# Altium PCB WX0.000.863拼板.PcbDoc (part 12 of 15)
Units mm, origin at the board's own origin, x right, y up, seen from the top; angles counter-clockwise.
Board outline 150.37 x 286.89 mm, 2 copper layers (Top Layer, Bottom Layer); 840 components, 0 nets, 2516 pads, 1604 vias.
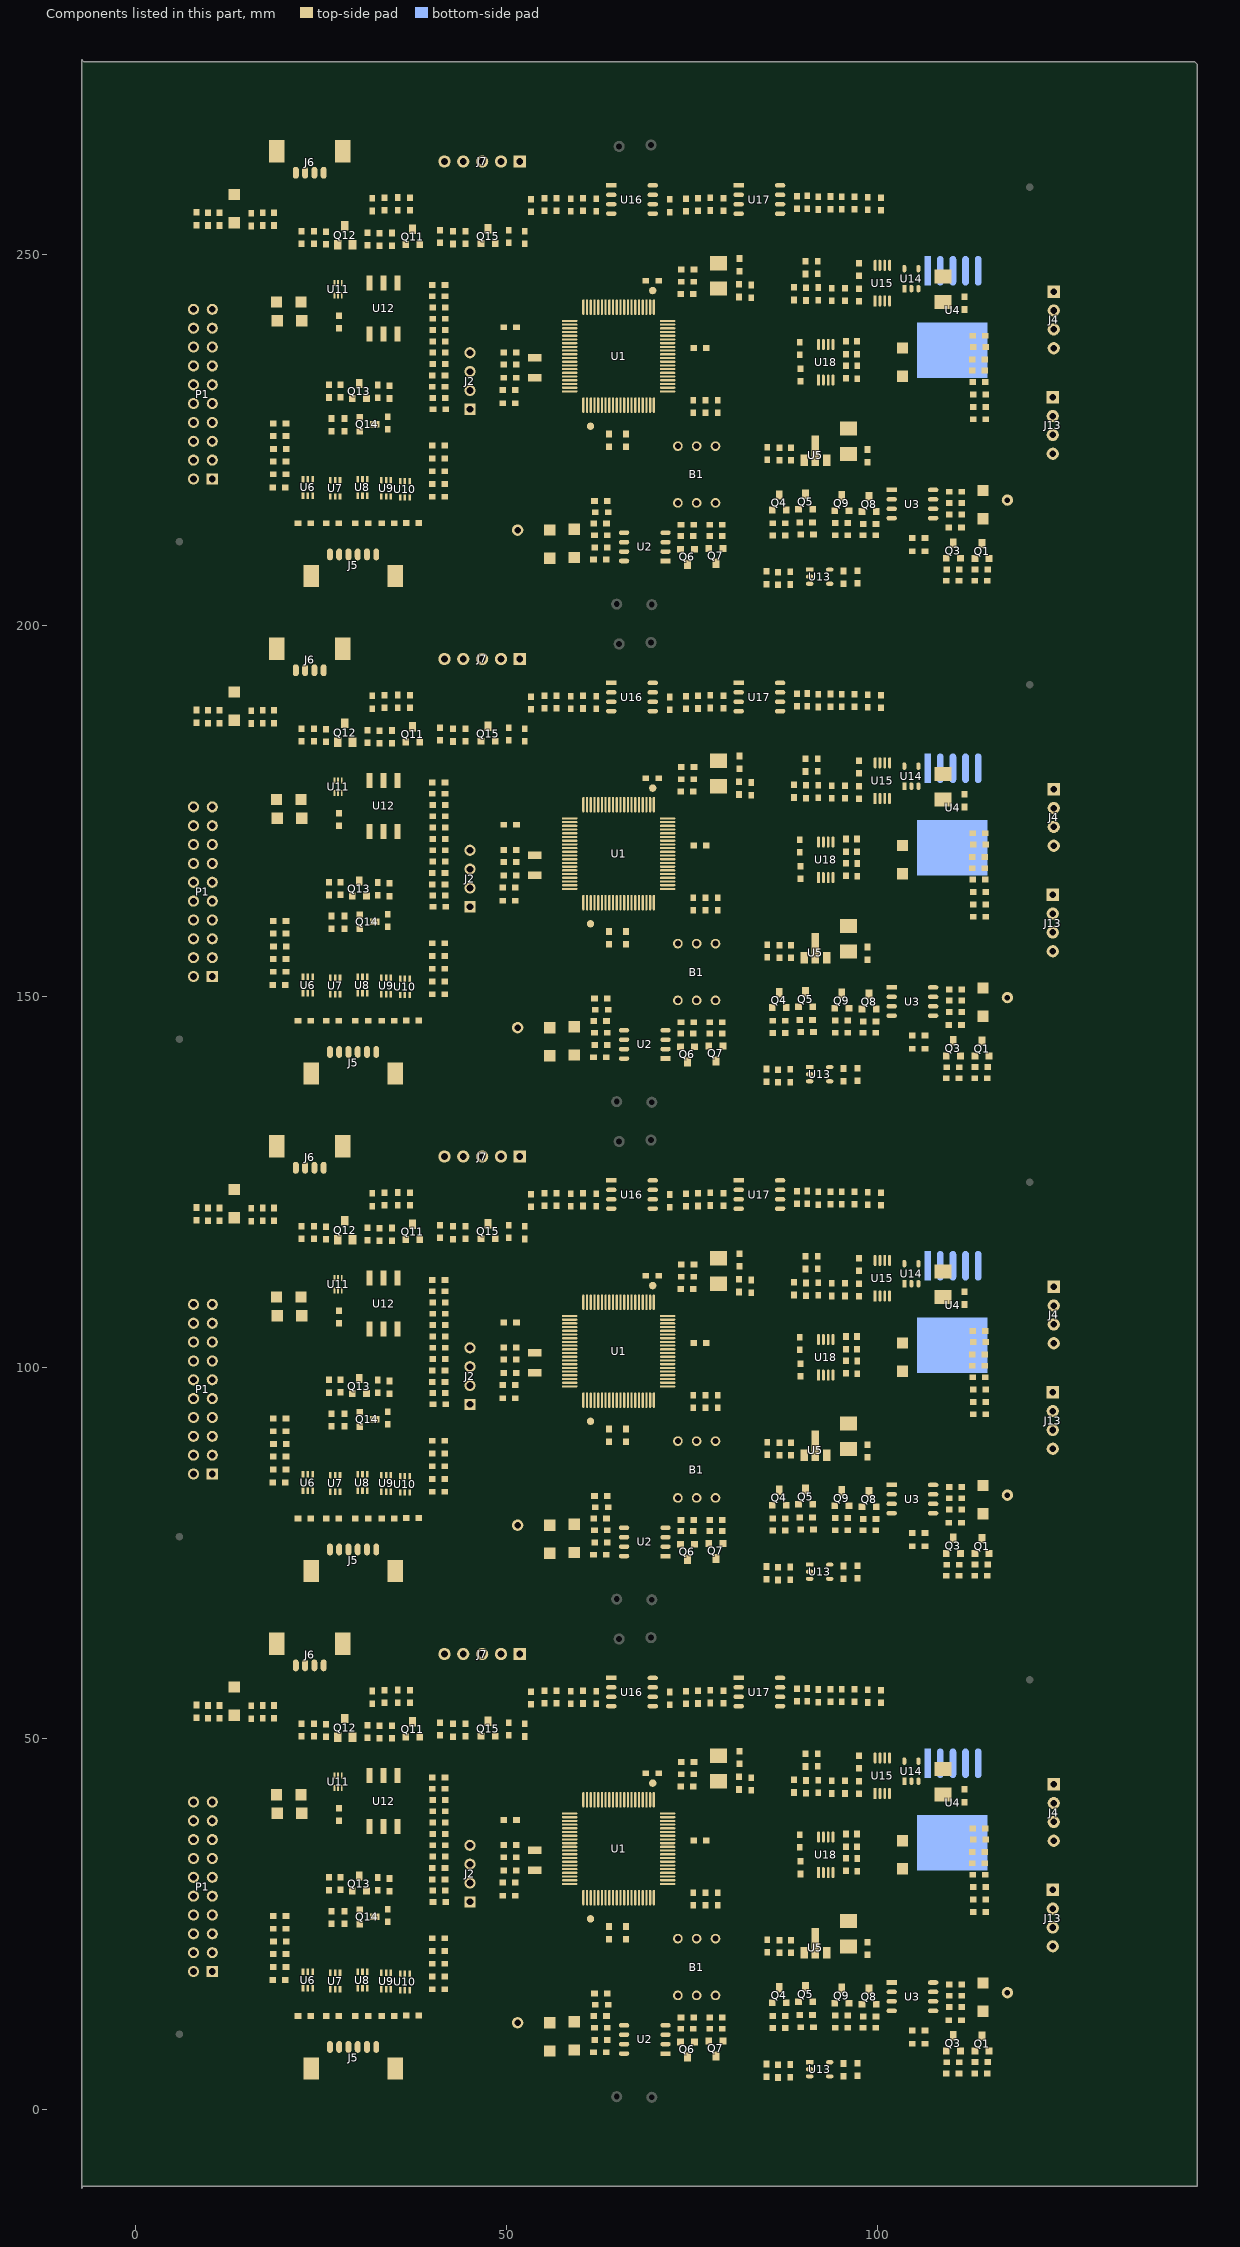
[diagram p12: the components of this part, seen from the top]

## Via types
v1: diameter 0.635, hole 0.381, Top Layer to Bottom Layer, tented both sides, 1604 vias

## Nets (pads, with @x,y where several pads share a name; then routed paths per layer and width w, separated by ;. In a path a pad name is that pad's centre, name@x,y a point inside that pad or via, vN(x,y) a via of type N, cw(c..) or ccw(c..) an arc to the next point about the centre after c; other vN are vias at no path point) (continued)
copper on no net: (continued)
  Top Layer w0.508: 91.287,81.737 ccw(c91.287,82.412) 91.764,81.935 ; 91.287,148.793 ccw(c91.287,149.468) 91.764,148.991 ; 91.287,215.849 ccw(c91.287,216.524) 91.764,216.047 ; 91.427,53.708 ccw(c90.321,54.813) 91.885,54.813 ; 91.427,120.764 ccw(c90.321,121.869) 91.885,121.869 ; 91.427,187.82 ccw(c90.321,188.925) 91.885,188.925 ; 91.427,254.876 ccw(c90.321,255.981) 91.885,255.981 ; v1@91.503,53.043 cw(c92.858,53.208) 91.893,54.174 ; v1@91.503,120.099 cw(c92.858,120.264) 91.893,121.23 ; v1@91.503,187.155 cw(c92.858,187.32) 91.893,188.286 ; v1@91.503,254.211 cw(c92.858,254.376) 91.893,255.342 ; 91.874,46.066 cw(c91.512,45.704) 92.024,45.704 ; 91.874,113.122 cw(c91.512,112.76) 92.024,112.76 ; 91.874,180.178 cw(c91.512,179.816) 92.024,179.816 ; 91.874,247.234 cw(c91.512,246.872) 92.024,246.872 ; 91.893,54.161 cw(c92.674,54.161) 92.123,54.714 ; 91.893,121.217 cw(c92.674,121.217) 92.123,121.77 ; 91.893,188.273 cw(c92.674,188.273) 92.123,188.826 ; 91.893,255.329 cw(c92.674,255.329) 92.123,255.882 ; 91.973,46.216 92.024,46.164 92.024,45.288 ; 91.973,49.291 91.973,47.917 ; 91.973,113.272 92.024,113.22 92.024,112.344 ; 91.973,116.347 91.973,114.973 ; 91.973,180.328 92.024,180.276 92.024,179.4 ; 91.973,183.403 91.973,182.029 ; 91.973,247.384 92.024,247.332 92.024,246.456 ; 91.973,250.459 91.973,249.085 ; 92.024,44.348 92.024,45.288 ; 92.024,54.864 91.893,54.864 91.893,54.174 ; 92.024,111.404 92.024,112.344 ; 92.024,121.92 91.893,121.92 91.893,121.23 ; 92.024,178.46 92.024,179.4 ; 92.024,188.976 91.893,188.976 91.893,188.286 ; 92.024,245.516 92.024,246.456 ; 92.024,256.032 91.893,256.032 91.893,255.342 ; 92.987,20.648 cw(c92.614,20.275) 93.142,20.275 ; 92.987,87.704 cw(c92.614,87.331) 93.142,87.331 ; 92.987,154.76 cw(c92.614,154.387) 93.142,154.387 ; 92.987,221.816 cw(c92.614,221.443) 93.142,221.443 ; 93.142,20.154 cw(c93.84,20.154) 93.346,20.648 ; 93.142,87.21 cw(c93.84,87.21) 93.346,87.704 ; 93.142,154.266 cw(c93.84,154.266) 93.346,154.76 ; 93.142,221.322 cw(c93.84,221.322) 93.346,221.816 ; 93.167,21.082 93.142,21.057 93.142,18.549 ; 93.167,88.138 93.142,88.113 93.142,85.605 ; 93.167,155.194 93.142,155.169 93.142,152.661 ; 93.167,222.25 93.142,222.225 93.142,219.717 ; 93.375,36.677 94.025,36.677 94.031,36.677 95.326,35.382 95.758,35.382 ; 93.375,103.733 94.025,103.733 94.031,103.733 95.326,102.438 95.758,102.438 ; 93.375,170.789 94.025,170.789 94.031,170.789 95.326,169.494 95.758,169.494 ; 93.375,237.845 94.025,237.845 94.031,237.845 95.326,236.55 95.758,236.55 ; 93.581,6.325 93.853,6.325 94.742,7.214 96.317,7.214 97.333,6.198 ; 93.581,73.381 93.853,73.381 94.742,74.27 96.317,74.27 97.333,73.254 ; 93.581,140.437 93.853,140.437 94.742,141.326 96.317,141.326 97.333,140.31 ; 93.581,207.493 93.853,207.493 94.742,208.382 96.317,208.382 97.333,207.366 ; 94.025,31.877 94.666,32.518 v1(94.666,32.918) ; 94.025,36.181 cw(c94.025,34.968) 94.883,35.826 ; 94.025,98.933 94.666,99.574 v1(94.666,99.974) ; 94.025,103.237 cw(c94.025,102.024) 94.883,102.882 ; 94.025,165.989 94.666,166.63 v1(94.666,167.03) ; 94.025,170.293 cw(c94.025,169.08) 94.883,169.938 ; 94.025,233.045 94.666,233.686 v1(94.666,234.086) ; 94.025,237.349 cw(c94.025,236.136) 94.883,236.994 ; 94.274,32.126 ccw(c93.482,32.918) v1@94.602,32.918 ; 94.274,99.182 ccw(c93.482,99.974) v1@94.602,99.974 ; 94.274,166.238 ccw(c93.482,167.03) v1@94.602,167.03 ; 94.274,233.294 ccw(c93.482,234.086) v1@94.602,234.086 ; v1(94.691,37.694) 95.301,37.084 95.758,37.084 ; v1(94.691,104.75) 95.301,104.14 95.758,104.14 ; v1(94.691,171.806) 95.301,171.196 95.758,171.196 ; v1(94.691,238.862) 95.301,238.252 95.758,238.252 ; 94.696,36.013 ccw(c95.758,37.075) 95.758,35.573 ; 94.696,103.069 ccw(c95.758,104.131) 95.758,102.629 ; 94.696,170.125 ccw(c95.758,171.187) 95.758,169.685 ; 94.696,237.181 ccw(c95.758,238.243) 95.758,236.741 ; 94.945,37.44 ccw(c95.465,37.96) 95.711,37.266 ; 94.945,104.496 ccw(c95.465,105.016) 95.711,104.322 ; 94.945,171.552 ccw(c95.465,172.072) 95.711,171.378 ; 94.945,238.608 ccw(c95.465,239.128) 95.711,238.434 ; 95.961,14.275 ccw(c95.47,14.275) 95.817,14.622 ccw(c96.164,14.969) 96.164,14.478 ; 95.961,81.331 ccw(c95.47,81.331) 95.817,81.678 ccw(c96.164,82.025) 96.164,81.534 ; 95.961,148.387 ccw(c95.47,148.387) 95.817,148.734 ccw(c96.164,149.081) 96.164,148.59 ; 95.961,215.443 ccw(c95.47,215.443) 95.817,215.79 ccw(c96.164,216.137) 96.164,215.646 ; 96.088,25.358 98.679,22.767 98.679,22.517 99.073,22.517 100.127,23.571 100.127,24.562 ; 96.088,92.414 98.679,89.823 98.679,89.573 99.073,89.573 100.127,90.627 100.127,91.618 ; 96.088,159.47 98.679,156.879 98.679,156.629 99.073,156.629 100.127,157.683 100.127,158.674 ; 96.088,226.526 98.679,223.935 98.679,223.685 99.073,223.685 100.127,224.739 100.127,225.73 ; 96.278,24.66 cw(c96.278,23.434) 97.146,24.301 ; 96.278,91.716 cw(c96.278,90.49) 97.146,91.357 ; 96.278,158.772 cw(c96.278,157.546) 97.146,158.413 ; 96.278,225.828 cw(c96.278,224.602) 97.146,225.469 ; 96.85,20.142 97.434,20.142 98.108,20.816 98.679,20.816 ; 96.85,87.198 97.434,87.198 98.108,87.872 98.679,87.872 ; 96.85,154.254 97.434,154.254 98.108,154.928 98.679,154.928 ; 96.85,221.31 97.434,221.31 98.108,221.984 98.679,221.984 ; 96.977,25.358 ccw(c99.123,25.358) 97.605,23.841 ; 96.977,92.414 ccw(c99.123,92.414) 97.605,90.897 ; 96.977,159.47 ccw(c99.123,159.47) 97.605,157.953 ; 96.977,226.526 ccw(c99.123,226.526) 97.605,225.009 ; 97.008,6.523 ccw(c97.333,6.848) 97.333,6.388 ; 97.008,73.579 ccw(c97.333,73.904) 97.333,73.444 ; 97.008,140.635 ccw(c97.333,140.96) 97.333,140.5 ; 97.008,207.691 ccw(c97.333,208.016) 97.333,207.556 ; 97.333,6.007 cw(c97.333,5.547) 97.658,5.872 ; 97.333,73.063 cw(c97.333,72.603) 97.658,72.928 ; 97.333,140.119 cw(c97.333,139.659) 97.658,139.984 ; 97.333,207.175 cw(c97.333,206.715) 97.658,207.04 ; 97.379,20.086 cw(c98.679,18.786) 98.679,20.625 ; 97.379,87.142 cw(c98.679,85.842) 98.679,87.681 ; 97.379,154.198 cw(c98.679,152.898) 98.679,154.737 ; 97.379,221.254 cw(c98.679,219.954) 98.679,221.793 ; 97.381,33.83 ccw(c98.049,34.498) 98.049,33.553 ; 97.381,100.886 ccw(c98.049,101.554) 98.049,100.609 ; 97.381,167.942 ccw(c98.049,168.61) 98.049,167.665 ; 97.381,234.998 ccw(c98.049,235.666) 98.049,234.721 ; v1(97.459,18.974) 97.035,18.549 93.142,18.549 ; v1(97.459,86.03) 97.035,85.605 93.142,85.605 ; v1(97.459,153.086) 97.035,152.661 93.142,152.661 ; v1(97.459,220.142) 97.035,219.717 93.142,219.717 ; 97.536,44.196 95.682,44.196 95.631,44.247 95.631,46.711 96.558,47.637 97.536,47.637 99.403,47.637 99.695,47.345 99.695,46.38 v1(99.136,45.822) ; 97.536,111.252 95.682,111.252 95.631,111.303 95.631,113.767 96.558,114.693 97.536,114.693 99.403,114.693 99.695,114.401 99.695,113.436 v1(99.136,112.878) ; 97.536,178.308 95.682,178.308 95.631,178.359 95.631,180.823 96.558,181.749 97.536,181.749 99.403,181.749 99.695,181.457 99.695,180.492 v1(99.136,179.934) ; 97.536,245.364 95.682,245.364 95.631,245.415 95.631,247.879 96.558,248.805 97.536,248.805 99.403,248.805 99.695,248.513 99.695,247.548 v1(99.136,246.99) ; 97.822,20.53 cw(c98.34,20.012) 98.625,20.687 ; 97.822,87.586 cw(c98.34,87.068) 98.625,87.743 ; 97.822,154.642 cw(c98.34,154.124) 98.625,154.799 ; 97.822,221.698 cw(c98.34,221.18) 98.625,221.855 ; 97.95,33.553 ccw(c97.95,34.054) v1@98.304,33.7 ; 97.95,100.609 ccw(c97.95,101.11) v1@98.304,100.756 ; 97.95,167.665 ccw(c97.95,168.166) v1@98.304,167.812 ; 97.95,234.721 ccw(c97.95,235.222) v1@98.304,234.868 ; 98.246,20.954 cw(c98.679,20.52) 98.679,21.133 ; 98.246,88.01 cw(c98.679,87.576) 98.679,88.189 ; 98.246,155.066 cw(c98.679,154.632) 98.679,155.245 ; 98.246,222.122 cw(c98.679,221.688) 98.679,222.301 ; 98.3,23.147 cw(c97.721,22.568) 98.539,22.568 ; 98.3,90.203 cw(c97.721,89.624) 98.539,89.624 ; 98.3,157.259 cw(c97.721,156.68) 98.539,156.68 ; 98.3,224.315 cw(c97.721,223.736) 98.539,223.736 ; 98.679,22.708 ccw(c98.679,24.119) 99.677,23.121 ; 98.679,89.764 ccw(c98.679,91.175) 99.677,90.177 ; 98.679,156.82 ccw(c98.679,158.231) 99.677,157.233 ; 98.679,223.876 ccw(c98.679,225.287) 99.677,224.289 ; 98.882,16.18 100.787,18.085 ; 98.882,16.561 ccw(c98.882,17.481) 99.532,16.83 ; 98.882,83.236 100.787,85.141 ; 98.882,83.617 ccw(c98.882,84.537) 99.532,83.886 ; 98.882,150.292 100.787,152.197 ; 98.882,150.673 ccw(c98.882,151.593) 99.532,150.942 ; 98.882,217.348 100.787,219.253 ; 98.882,217.729 ccw(c98.882,218.649) 99.532,217.998 ; 99.077,26.738 cw(c100.355,25.459) v1@100.355,27.267 ; 99.077,93.794 cw(c100.355,92.515) v1@100.355,94.323 ; 99.077,160.85 cw(c100.355,159.571) v1@100.355,161.379 ; 99.077,227.906 cw(c100.355,226.627) v1@100.355,228.435 ; v1(99.111,24.155) 99.111,26.772 99.847,27.508 ; v1(99.111,91.211) 99.111,93.828 99.847,94.564 ; v1(99.111,158.267) 99.111,160.884 99.847,161.62 ; v1(99.111,225.323) 99.111,227.94 99.847,228.676 ; 99.505,27.166 cw(c99.986,26.684) v1@100.324,27.276 ; 99.505,94.222 cw(c99.986,93.74) v1@100.324,94.332 ; 99.505,161.278 cw(c99.986,160.796) v1@100.324,161.388 ; 99.505,228.334 cw(c99.986,227.852) v1@100.324,228.444 ; 99.703,14.291 ccw(c99.356,14.638) 99.847,14.638 ccw(c100.338,14.638) 99.991,14.291 ; 99.703,81.347 ccw(c99.356,81.694) 99.847,81.694 ccw(c100.338,81.694) 99.991,81.347 ; 99.703,148.403 ccw(c99.356,148.75) 99.847,148.75 ccw(c100.338,148.75) 99.991,148.403 ; 99.703,215.459 ccw(c99.356,215.806) 99.847,215.806 ccw(c100.338,215.806) 99.991,215.459 ; 99.822,12.497 99.822,14.122 99.847,14.148 99.847,14.884 v1(100.33,15.367) ; 99.822,13.596 cw(c100.399,13.596) 99.991,14.004 ; 99.822,79.553 99.822,81.178 99.847,81.204 99.847,81.94 v1(100.33,82.423) ; 99.822,80.652 cw(c100.399,80.652) 99.991,81.06 ; 99.822,146.609 99.822,148.234 99.847,148.26 99.847,148.996 v1(100.33,149.479) ; 99.822,147.708 cw(c100.399,147.708) 99.991,148.116 ; 99.822,213.665 99.822,215.29 99.847,215.316 99.847,216.052 v1(100.33,216.535) ; 99.822,214.764 cw(c100.399,214.764) 99.991,215.172 ; 100.127,25.095 100.127,24.562 ; 100.127,92.151 100.127,91.618 ; 100.127,159.207 100.127,158.674 ; 100.127,226.263 100.127,225.73 ; v1@100.306,27.291 ccw(c99.847,26.916) 99.847,27.508 ; v1@100.306,94.347 ccw(c99.847,93.972) 99.847,94.564 ; v1@100.306,161.403 ccw(c99.847,161.028) 99.847,161.62 ; v1@100.306,228.459 ccw(c99.847,228.084) 99.847,228.676 ; v1@100.355,27.508 99.847,27.508 ; v1@100.355,94.564 99.847,94.564 ; v1@100.355,161.62 99.847,161.62 ; v1@100.355,228.676 99.847,228.676 ; 100.843,18.085 110.947,18.085 111.379,17.653 111.379,16.815 ; 100.843,85.141 110.947,85.141 111.379,84.709 111.379,83.871 ; 100.843,152.197 110.947,152.197 111.379,151.765 111.379,150.927 ; 100.843,219.253 110.947,219.253 111.379,218.821 111.379,217.983 ; v1(101.041,31.242) 101.117,31.242 102.083,32.207 102.083,37.313 v1(102.337,37.567) ; v1(101.041,98.298) 101.117,98.298 102.083,99.263 102.083,104.369 v1(102.337,104.623) ; v1(101.041,165.354) 101.117,165.354 102.083,166.319 102.083,171.425 v1(102.337,171.679) ; v1(101.041,232.41) 101.117,232.41 102.083,233.375 102.083,238.481 v1(102.337,238.735) ; v1(101.092,26.619) 101.092,26.543 100.127,25.578 100.127,24.562 ; v1(101.092,93.675) 101.092,93.599 100.127,92.634 100.127,91.618 ; v1(101.092,160.731) 101.092,160.655 100.127,159.69 100.127,158.674 ; v1(101.092,227.787) 101.092,227.711 100.127,226.746 100.127,225.73 ; 101.93,15.799 101.93,17.069 ; 101.93,82.855 101.93,84.125 ; 101.93,149.911 101.93,151.181 ; 101.93,216.967 101.93,218.237 ; 102.083,36.8 cw(c103.103,36.8) v1@102.382,37.522 ; 102.083,103.856 cw(c103.103,103.856) v1@102.382,104.578 ; 102.083,170.912 cw(c103.103,170.912) v1@102.382,171.634 ; 102.083,237.968 cw(c103.103,237.968) v1@102.382,238.69 ; v1(102.184,12.192) 102.21,12.167 102.21,9.754 100.584,8.128 97.79,8.128 97.333,7.671 97.333,6.198 ; v1(102.184,79.248) 102.21,79.223 102.21,76.81 100.584,75.184 97.79,75.184 97.333,74.727 97.333,73.254 ; v1(102.184,146.304) 102.21,146.279 102.21,143.866 100.584,142.24 97.79,142.24 97.333,141.783 97.333,140.31 ; v1(102.184,213.36) 102.21,213.335 102.21,210.922 100.584,209.296 97.79,209.296 97.333,208.839 97.333,207.366 ; v1(102.794,46.228) 103.462,46.896 103.632,46.896 103.632,47.549 ; v1(102.794,113.284) 103.462,113.952 103.632,113.952 103.632,114.605 ; v1(102.794,180.34) 103.462,181.008 103.632,181.008 103.632,181.661 ; v1(102.794,247.396) 103.462,248.064 103.632,248.064 103.632,248.717 ; v1@102.922,46.356 cw(c103.632,45.645) 103.632,46.65 ; v1@102.922,113.412 cw(c103.632,112.701) 103.632,113.706 ; v1@102.922,180.468 cw(c103.632,179.757) 103.632,180.762 ; v1@102.922,247.524 cw(c103.632,246.813) 103.632,247.818 ; 103.632,49.317 103.632,47.549 ; 103.632,116.373 103.632,114.605 ; 103.632,183.429 103.632,181.661 ; 103.632,250.485 103.632,248.717 ; v1(103.86,17.17) 105.664,17.17 105.943,16.891 105.943,14.638 107.322,13.259 107.518,13.259 ; v1(103.86,84.226) 105.664,84.226 105.943,83.947 105.943,81.694 107.322,80.315 107.518,80.315 ; v1(103.86,151.282) 105.664,151.282 105.943,151.003 105.943,148.75 107.322,147.371 107.518,147.371 ; v1(103.86,218.338) 105.664,218.338 105.943,218.059 105.943,215.806 107.322,214.427 107.518,214.427 ; 106.426,8.814 106.426,10.592 106.426,12.167 107.518,13.259 ; 106.426,75.87 106.426,77.648 106.426,79.223 107.518,80.315 ; 106.426,142.926 106.426,144.704 106.426,146.279 107.518,147.371 ; 106.426,209.982 106.426,211.76 106.426,213.335 107.518,214.427 ; 106.756,12.497 ccw(c105.995,13.259) 107.072,13.259 ccw(c106.467,13.259) 106.895,13.686 ; 106.756,79.553 ccw(c105.995,80.315) 107.072,80.315 ccw(c106.467,80.315) 106.895,80.742 ; 106.756,146.609 ccw(c105.995,147.371) 107.072,147.371 ccw(c106.467,147.371) 106.895,147.798 ; 106.756,213.665 ccw(c105.995,214.427) 107.072,214.427 ccw(c106.467,214.427) 106.895,214.854 ; 107.518,14.529 108.077,14.529 v1(108.635,13.97) ; 107.518,15.799 108.28,15.799 108.788,15.291 109.677,15.291 109.677,13.767 ; 107.518,17.069 109.423,17.069 109.677,16.815 111.201,15.291 111.379,15.291 ; 107.518,81.585 108.077,81.585 v1(108.635,81.026) ; 107.518,82.855 108.28,82.855 108.788,82.347 109.677,82.347 109.677,80.823 ; 107.518,84.125 109.423,84.125 109.677,83.871 111.201,82.347 111.379,82.347 ; 107.518,148.641 108.077,148.641 v1(108.635,148.082) ; 107.518,149.911 108.28,149.911 108.788,149.403 109.677,149.403 109.677,147.879 ; 107.518,151.181 109.423,151.181 109.677,150.927 111.201,149.403 111.379,149.403 ; 107.518,215.697 108.077,215.697 v1(108.635,215.138) ; 107.518,216.967 108.28,216.967 108.788,216.459 109.677,216.459 109.677,214.935 ; 107.518,218.237 109.423,218.237 109.677,217.983 111.201,216.459 111.379,216.459 ; 107.913,13.208 cw(c107.913,12.506) 108.409,13.003 ; 107.913,14.478 cw(c107.913,13.96) 108.279,14.326 ; 107.913,15.748 cw(c107.913,14.74) 108.626,15.453 ; 107.913,80.264 cw(c107.913,79.562) 108.409,80.059 ; 107.913,81.534 cw(c107.913,81.016) 108.279,81.382 ; 107.913,82.804 cw(c107.913,81.796) 108.626,82.509 ; 107.913,147.32 cw(c107.913,146.618) 108.409,147.115 ; 107.913,148.59 cw(c107.913,148.072) 108.279,148.438 ; 107.913,149.86 cw(c107.913,148.852) 108.626,149.565 ; 107.913,214.376 cw(c107.913,213.674) 108.409,214.171 ; 107.913,215.646 cw(c107.913,215.128) 108.279,215.494 ; 107.913,216.916 cw(c107.913,215.908) 108.626,216.621 ; 107.928,15.75 cw(c108.083,15.235) 108.463,15.615 ; 107.928,82.806 cw(c108.083,82.291) 108.463,82.671 ; 107.928,149.862 cw(c108.083,149.347) 108.463,149.727 ; 107.928,216.918 cw(c108.083,216.403) 108.463,216.783 ; 108.676,17.069 cw(c108.676,15.864) 109.527,16.716 ; 108.676,84.125 cw(c108.676,82.92) 109.527,83.772 ; 108.676,151.181 cw(c108.676,149.976) 109.527,150.828 ; 108.676,218.237 cw(c108.676,217.032) 109.527,217.884 ; 109.068,12.344 ccw(c109.588,12.864) 109.588,12.128 ; 109.068,79.4 ccw(c109.588,79.92) 109.588,79.184 ; 109.068,146.456 ccw(c109.588,146.976) 109.588,146.24 ; 109.068,213.512 ccw(c109.588,214.032) 109.588,213.296 ; 109.638,11.989 109.423,11.989 108.153,13.259 107.518,13.259 ; 109.638,79.045 109.423,79.045 108.153,80.315 107.518,80.315 ; 109.638,146.101 109.423,146.101 108.153,147.371 107.518,147.371 ; 109.638,213.157 109.423,213.157 108.153,214.427 107.518,214.427 ; 109.867,16.815 ccw(c110.327,16.815) 110.002,16.49 ; 109.867,83.871 ccw(c110.327,83.871) 110.002,83.546 ; 109.867,150.927 ccw(c110.327,150.927) 110.002,150.602 ; 109.867,217.983 ccw(c110.327,217.983) 110.002,217.658 ; 110.881,15.61 ccw(c111.315,16.044) 111.315,15.43 ; 110.881,82.666 ccw(c111.315,83.1) 111.315,82.486 ; 110.881,149.722 ccw(c111.315,150.156) 111.315,149.542 ; 110.881,216.778 ccw(c111.315,217.212) 111.315,216.599 ; 111.379,13.767 112.319,13.767 112.903,13.183 114.249,13.183 ; 111.379,80.823 112.319,80.823 112.903,80.239 114.249,80.239 ; 111.379,147.879 112.319,147.879 112.903,147.295 114.249,147.295 ; 111.379,214.935 112.319,214.935 112.903,214.351 114.249,214.351 ; 111.383,16.81 111.379,16.815 ; 111.383,83.866 111.379,83.871 ; 111.383,150.922 111.379,150.927 ; 111.383,217.978 111.379,217.983 ; v1(111.76,31.547) 112.789,31.547 112.84,31.598 ; v1(111.76,98.603) 112.789,98.603 112.84,98.654 ; v1(111.76,165.659) 112.789,165.659 112.84,165.71 ; v1(111.76,232.715) 112.789,232.715 112.84,232.766 ; v1(111.811,49.276) 111.303,49.784 103.53,49.784 ; v1(111.811,116.332) 111.303,116.84 103.53,116.84 ; v1(111.811,183.388) 111.303,183.896 103.53,183.896 ; v1(111.811,250.444) 111.303,250.952 103.53,250.952 ; 112.329,31.547 ccw(c112.329,32.058) 112.69,31.696 ; 112.329,98.603 ccw(c112.329,99.114) 112.69,98.752 ; 112.329,165.659 ccw(c112.329,166.17) 112.69,165.808 ; 112.329,232.715 ccw(c112.329,233.226) 112.69,232.864 ; 112.594,16.815 ccw(c112.594,18.648) 113.89,17.352 ; 112.594,83.871 ccw(c112.594,85.704) 113.89,84.408 ; 112.594,150.927 ccw(c112.594,152.76) 113.89,151.464 ; 112.594,217.983 ccw(c112.594,219.816) 113.89,218.52 ; 113.452,16.815 cw(c113.452,16.195) 113.89,16.633 ; 113.452,83.871 cw(c113.452,83.251) 113.89,83.689 ; 113.452,150.927 cw(c113.452,150.307) 113.89,150.745 ; 113.452,217.983 cw(c113.452,217.363) 113.89,217.801 ; 113.89,13.542 cw(c113.023,14.409) 113.023,13.183 cw(c113.023,11.956) 113.89,12.823 cw(c113.392,12.325) 114.096,12.325 ; 113.89,80.598 cw(c113.023,81.465) 113.023,80.239 cw(c113.023,79.012) 113.89,79.879 cw(c113.392,79.381) 114.096,79.381 ; 113.89,147.654 cw(c113.023,148.521) 113.023,147.295 cw(c113.023,146.068) 113.89,146.935 cw(c113.392,146.437) 114.096,146.437 ; 113.89,214.71 cw(c113.023,215.577) 113.023,214.351 cw(c113.023,213.124) 113.89,213.991 cw(c113.392,213.493) 114.096,213.493 ; 113.953,10.177 ccw(c113.606,10.524) 114.096,10.524 ccw(c114.587,10.524) 114.24,10.177 ; 113.953,77.233 ccw(c113.606,77.58) 114.096,77.58 ccw(c114.587,77.58) 114.24,77.233 ; 113.953,144.289 ccw(c113.606,144.636) 114.096,144.636 ccw(c114.587,144.636) 114.24,144.289 ; 113.953,211.345 ccw(c113.606,211.692) 114.096,211.692 ccw(c114.587,211.692) 114.24,211.345 ; 114.096,9.855 114.096,13.03 114.249,13.183 ; 114.096,11.587 cw(c115.845,11.587) 114.608,12.823 ; 114.096,76.911 114.096,80.086 114.249,80.239 ; 114.096,78.643 cw(c115.845,78.643) 114.608,79.879 ; 114.096,143.967 114.096,147.142 114.249,147.295 ; 114.096,145.699 cw(c115.845,145.699) 114.608,146.935 ; 114.096,211.023 114.096,214.198 114.249,214.351 ; 114.096,212.755 cw(c115.845,212.755) 114.608,213.991 ; 114.249,12.675 cw(c114.249,11.448) 115.116,12.315 cw(c115.984,13.183) 114.757,13.183 cw(c117.087,13.183) 115.44,14.83 ; 114.249,16.993 114.071,16.815 111.379,16.815 ; 114.249,79.731 cw(c114.249,78.504) 115.116,79.371 cw(c115.984,80.239) 114.757,80.239 cw(c117.087,80.239) 115.44,81.886 ; 114.249,84.049 114.071,83.871 111.379,83.871 ; 114.249,146.787 cw(c114.249,145.56) 115.116,146.427 cw(c115.984,147.295) 114.757,147.295 cw(c117.087,147.295) 115.44,148.942 ; 114.249,151.105 114.071,150.927 111.379,150.927 ; 114.249,213.843 cw(c114.249,212.616) 115.116,213.483 cw(c115.984,214.351) 114.757,214.351 cw(c117.087,214.351) 115.44,215.998 ; 114.249,218.161 114.071,217.983 111.379,217.983 ; 114.395,27.984 ccw(c115.116,28.705) 115.116,27.686 ; 114.395,95.04 ccw(c115.116,95.761) 115.116,94.742 ; 114.395,162.096 ccw(c115.116,162.817) 115.116,161.798 ; 114.395,229.152 ccw(c115.116,229.873) 115.116,228.854 ; 114.572,13.963 ccw(c115.353,13.183) 114.249,13.183 ; 114.572,81.019 ccw(c115.353,80.239) 114.249,80.239 ; 114.572,148.075 ccw(c115.353,147.295) 114.249,147.295 ; 114.572,215.131 ccw(c115.353,214.351) 114.249,214.351 ; 114.605,28.245 114.617,28.232 114.617,26.594 ; 114.605,95.301 114.617,95.288 114.617,93.65 ; 114.605,162.357 114.617,162.344 114.617,160.706 ; 114.605,229.413 114.617,229.4 114.617,227.762 ; 114.681,29.807 cw(c114.681,28.795) 115.396,29.511 ; 114.681,96.863 cw(c114.681,95.851) 115.396,96.567 ; 114.681,163.919 cw(c114.681,162.907) 115.396,163.623 ; 114.681,230.975 cw(c114.681,229.963) 115.396,230.679 ; 114.693,27.686 119.736,27.686 122.936,24.486 123.647,24.486 ; 114.693,94.742 119.736,94.742 122.936,91.542 123.647,91.542 ; 114.693,161.798 119.736,161.798 122.936,158.598 123.647,158.598 ; 114.693,228.854 119.736,228.854 122.936,225.654 123.647,225.654 ; 114.745,30.162 116.357,28.55 120.244,28.55 121.768,27.026 123.647,27.026 ; 114.745,97.218 116.357,95.606 120.244,95.606 121.768,94.082 123.647,94.082 ; 114.745,164.274 116.357,162.662 120.244,162.662 121.768,161.138 123.647,161.138 ; 114.745,231.33 116.357,229.718 120.244,229.718 121.768,228.194 123.647,228.194 ; 114.754,28.344 ccw(c116.342,29.931) 116.342,27.686 ; 114.754,95.4 ccw(c116.342,96.987) 116.342,94.742 ; 114.754,162.456 ccw(c116.342,164.043) 116.342,161.798 ; 114.754,229.512 ccw(c116.342,231.099) 116.342,228.854 ; 114.859,6.843 cw(c116.042,6.843) 115.205,7.68 ; 114.859,73.899 cw(c116.042,73.899) 115.205,74.736 ; 114.859,140.955 cw(c116.042,140.955) 115.205,141.792 ; 114.859,208.011 cw(c116.042,208.011) 115.205,208.848 ; 114.963,6.221 cw(c115.253,5.525) 115.786,6.058 ; 114.963,73.277 cw(c115.253,72.581) 115.786,73.114 ; 114.963,140.333 cw(c115.253,139.637) 115.786,140.17 ; 114.963,207.389 cw(c115.253,206.693) 115.786,207.226 ; 115.062,7.823 114.859,7.62 114.859,6.35 115.494,6.35 115.951,5.893 v1(115.951,4.496) 115.951,4.267 114.478,2.794 107.95,2.794 107.32,3.424 98.989,3.424 98.501,3.912 98.501,5.029 97.333,6.198 ; 115.062,74.879 114.859,74.676 114.859,73.406 115.494,73.406 115.951,72.949 v1(115.951,71.552) 115.951,71.323 114.478,69.85 107.95,69.85 107.32,70.48 98.989,70.48 98.501,70.968 98.501,72.085 97.333,73.254 ; 115.062,141.935 114.859,141.732 114.859,140.462 115.494,140.462 115.951,140.005 v1(115.951,138.608) 115.951,138.379 114.478,136.906 107.95,136.906 107.32,137.536 98.989,137.536 98.501,138.024 98.501,139.141 97.333,140.31 ; 115.062,208.991 114.859,208.788 114.859,207.518 115.494,207.518 115.951,207.061 v1(115.951,205.664) 115.951,205.435 114.478,203.962 107.95,203.962 107.32,204.592 98.989,204.592 98.501,205.08 98.501,206.197 97.333,207.366 ; 115.681,3.997 ccw(c115.182,4.496) v1@115.887,4.496 ; 115.681,71.053 ccw(c115.182,71.552) v1@115.887,71.552 ; 115.681,138.109 ccw(c115.182,138.608) v1@115.887,138.608 ; 115.681,205.165 ccw(c115.182,205.664) v1@115.887,205.664 ; 117.161,15.341 ccw(c116.307,14.498) 116.307,15.698 ; 117.161,16.054 cw(c116.307,16.897) 116.307,15.698 ; 117.161,82.397 ccw(c116.307,81.554) 116.307,82.754 ; 117.161,83.11 cw(c116.307,83.953) 116.307,82.754 ; 117.161,149.453 ccw(c116.307,148.61) 116.307,149.81 ; 117.161,150.166 cw(c116.307,151.009) 116.307,149.81 ; 117.161,216.509 ccw(c116.307,215.666) 116.307,216.866 ; 117.161,217.222 cw(c116.307,218.065) 116.307,216.866 ; 117.522,15.698 116.307,15.698 ; 117.522,82.754 116.307,82.754 ; 117.522,149.81 116.307,149.81 ; 117.522,216.866 116.307,216.866 ; 121.457,25.964 ccw(c123.647,28.154) 123.647,25.057 ; 121.457,93.02 ccw(c123.647,95.21) 123.647,92.113 ; 121.457,160.076 ccw(c123.647,162.266) 123.647,159.169 ; 121.457,227.132 ccw(c123.647,229.322) 123.647,226.225 ; 122.325,25.097 ccw(c123.647,26.419) 123.647,24.549 ; 122.325,92.153 ccw(c123.647,93.475) 123.647,91.605 ; 122.325,159.209 ccw(c123.647,160.531) 123.647,158.661 ; 122.325,226.265 ccw(c123.647,227.587) 123.647,225.717 ; 123.243,26.621 ccw(c122.267,25.646) 122.267,27.026 ccw(c122.267,28.405) 123.243,27.43 ; 123.243,93.677 ccw(c122.267,92.702) 122.267,94.082 ccw(c122.267,95.461) 123.243,94.486 ; 123.243,160.733 ccw(c122.267,159.758) 122.267,161.138 ccw(c122.267,162.517) 123.243,161.542 ; 123.243,227.789 ccw(c122.267,226.814) 122.267,228.194 ccw(c122.267,229.573) 123.243,228.598 ; 27.597,31.229 27.635,31.267 ; 27.597,31.229 27.635,31.267 ; 27.597,98.285 27.635,98.323 ; 27.597,98.285 27.635,98.323 ; 27.597,165.341 27.635,165.379 ; 27.597,165.341 27.635,165.379 ; 27.597,232.397 27.635,232.435 ; 27.597,232.397 27.635,232.435 ; 42.654,62.619 53.942,62.619 55.118,61.443 55.118,58.872 ; 42.654,129.675 53.942,129.675 55.118,128.499 55.118,125.928 ; 42.654,196.731 53.942,196.731 55.118,195.555 55.118,192.984 ; 42.654,263.787 53.942,263.787 55.118,262.611 55.118,260.04 ; 51.218,28.753 51.283,28.689 51.283,26.899 ; 51.218,95.809 51.283,95.745 51.283,93.955 ; 51.218,162.865 51.283,162.801 51.283,161.011 ; 51.218,229.921 51.283,229.857 51.283,228.067 ; 55.829,7.849 59.131,11.151 59.131,11.786 ; 55.829,74.905 59.131,78.207 59.131,78.842 ; 55.829,141.961 59.131,145.263 59.131,145.898 ; 55.829,209.017 59.131,212.319 59.131,212.954 ; 59.131,11.786 59.944,10.973 ; 59.131,78.842 59.944,78.029 ; 59.131,145.898 59.944,145.085 ; 59.131,212.954 59.944,212.141 ; 77.597,6.076 80.04,6.076 80.314,6.35 80.314,8.331 ; 77.597,73.132 80.04,73.132 80.314,73.406 80.314,75.387 ; 77.597,140.188 80.04,140.188 80.314,140.462 80.314,142.443 ; 77.597,207.244 80.04,207.244 80.314,207.518 80.314,209.499 ; 81.034,47.887 81.407,48.26 ; 81.034,114.943 81.407,115.316 ; 81.034,181.999 81.407,182.372 ; 81.034,249.055 81.407,249.428 ; 81.305,54.305 84.332,54.305 85.496,53.142 90.171,53.142 90.861,53.142 91.893,54.174 ; 81.305,121.361 84.332,121.361 85.496,120.198 90.171,120.198 90.861,120.198 91.893,121.23 ; 81.305,188.417 84.332,188.417 85.496,187.254 90.171,187.254 90.861,187.254 91.893,188.286 ; 81.305,255.473 84.332,255.473 85.496,254.31 90.171,254.31 90.861,254.31 91.893,255.342 ; 81.407,48.26 82.931,49.784 91.948,49.784 ; 81.407,115.316 82.931,116.84 91.948,116.84 ; 81.407,182.372 82.931,183.896 91.948,183.896 ; 81.407,249.428 82.931,250.952 91.948,250.952 ; 91.948,49.784 91.973,49.759 91.973,47.917 ; 91.948,49.784 103.53,49.784 ; 91.948,116.84 91.973,116.815 91.973,114.973 ; 91.948,116.84 103.53,116.84 ; 91.948,183.896 91.973,183.871 91.973,182.029 ; 91.948,183.896 103.53,183.896 ; 91.948,250.952 91.973,250.927 91.973,249.085 ; 91.948,250.952 103.53,250.952 ; 103.53,49.784 103.632,49.682 103.632,47.549 ; 103.53,116.84 103.632,116.738 103.632,114.605 ; 103.53,183.896 103.632,183.794 103.632,181.661 ; 103.53,250.952 103.632,250.85 103.632,248.717 ; 114.249,13.183 114.249,13.64 116.307,15.698 ; 114.249,80.239 114.249,80.696 116.307,82.754 ; 114.249,147.295 114.249,147.752 116.307,149.81 ; 114.249,214.351 114.249,214.808 116.307,216.866 ; v1@37.071,48.717 cw(c37.531,48.717) 37.206,49.042 ccw(c37.531,48.717) v1@37.071,48.717 ; v1@37.071,115.773 cw(c37.531,115.773) 37.206,116.098 ccw(c37.531,115.773) v1@37.071,115.773 ; v1@37.071,182.829 cw(c37.531,182.829) 37.206,183.154 ccw(c37.531,182.829) v1@37.071,182.829 ; v1@37.071,249.885 cw(c37.531,249.885) 37.206,250.21 ccw(c37.531,249.885) v1@37.071,249.885 ; 88.265,4.318 88.925,3.658 v1(89.23,3.658) 88.57,4.318 88.265,4.318 ; 88.265,71.374 88.925,70.714 v1(89.23,70.714) 88.57,71.374 88.265,71.374 ; 88.265,138.43 88.925,137.77 v1(89.23,137.77) 88.57,138.43 88.265,138.43 ; 88.265,205.486 88.925,204.826 v1(89.23,204.826) 88.57,205.486 88.265,205.486
  Top Layer w0.635: v1@52.756,53.338 cw(c54.069,53.338) 53.38,54.456 ; v1@52.756,53.73 cw(c53.484,53.73) 53.354,54.446 ; v1@52.756,120.394 cw(c54.069,120.394) 53.38,121.512 ; v1@52.756,120.786 cw(c53.484,120.786) 53.354,121.502 ; v1@52.756,187.45 cw(c54.069,187.45) 53.38,188.568 ; v1@52.756,187.842 cw(c53.484,187.842) 53.354,188.558 ; v1@52.756,254.506 cw(c54.069,254.506) 53.38,255.624 ; v1@52.756,254.898 cw(c53.484,254.898) 53.354,255.614 ; 53.106,54.338 ccw(c53.951,53.492) v1(52.756,53.492) 52.756,53.987 53.467,54.699 55.118,54.699 ; 53.106,121.394 ccw(c53.951,120.548) v1(52.756,120.548) 52.756,121.043 53.467,121.755 55.118,121.755 ; 53.106,188.45 ccw(c53.951,187.604) v1(52.756,187.604) 52.756,188.099 53.467,188.811 55.118,188.811 ; 53.106,255.506 ccw(c53.951,254.66) v1(52.756,254.66) 52.756,255.155 53.467,255.867 55.118,255.867 ; 63.277,18.288 cw(c63.277,19.589) v1(62.357,18.669) 62.738,18.288 79.121,18.288 ; 63.277,85.344 cw(c63.277,86.645) v1(62.357,85.725) 62.738,85.344 79.121,85.344 ; 63.277,152.4 cw(c63.277,153.701) v1(62.357,152.781) 62.738,152.4 79.121,152.4 ; 63.277,219.456 cw(c63.277,220.757) v1(62.357,219.837) 62.738,219.456 79.121,219.456 ; 72.887,15.546 cw(c73.904,14.529) 73.904,15.967 ; 72.887,82.602 cw(c73.904,81.585) 73.904,83.023 ; 72.887,149.658 cw(c73.904,148.641) 73.904,150.079 ; 72.887,216.714 cw(c73.904,215.697) 73.904,217.135 ; 73.101,15.967 75.641,15.967 78.181,15.967 ; 73.101,83.023 75.641,83.023 78.181,83.023 ; 73.101,150.079 75.641,150.079 78.181,150.079 ; 73.101,217.135 75.641,217.135 78.181,217.135 ; 73.305,15.967 cw(c73.305,12.996) 75.406,15.096 ; 73.305,83.023 cw(c73.305,80.052) 75.406,82.152 ; 73.305,150.079 cw(c73.305,147.108) 75.406,149.208 ; 73.305,217.135 cw(c73.305,214.164) 75.406,216.264 ; 73.336,15.096 cw(c75.437,12.996) 75.437,15.967 ; 73.336,82.152 cw(c75.437,80.052) 75.437,83.023 ; 73.336,149.208 cw(c75.437,147.108) 75.437,150.079 ; 73.336,216.264 cw(c75.437,214.164) 75.437,217.135 ; 74.838,15.967 cw(c74.838,14.529) 75.855,15.546 ; 74.838,83.023 cw(c74.838,81.585) 75.855,82.602 ; 74.838,150.079 cw(c74.838,148.641) 75.855,149.658 ; 74.838,217.135 cw(c74.838,215.697) 75.855,216.714 ; 75.427,15.546 cw(c76.444,14.529) 76.444,15.967 ; 75.427,82.602 cw(c76.444,81.585) 76.444,83.023 ; 75.427,149.658 cw(c76.444,148.641) 76.444,150.079 ; 75.427,216.714 cw(c76.444,215.697) 76.444,217.135 ; 75.845,15.967 cw(c75.845,12.996) 77.946,15.096 ; 75.845,83.023 cw(c75.845,80.052) 77.946,82.152 ; 75.845,150.079 cw(c75.845,147.108) 77.946,149.208 ; 75.845,217.135 cw(c75.845,214.164) 77.946,216.264 ; 75.876,15.096 cw(c77.977,12.996) 77.977,15.967 ; 75.876,82.152 cw(c77.977,80.052) 77.977,83.023 ; 75.876,149.208 cw(c77.977,147.108) 77.977,150.079 ; 75.876,216.264 cw(c77.977,214.164) 77.977,217.135 ; 77.378,15.967 cw(c77.378,14.529) 78.395,15.546 ; 77.378,83.023 cw(c77.378,81.585) 78.395,82.602 ; 77.378,150.079 cw(c77.378,148.641) 78.395,149.658 ; 77.378,217.135 cw(c77.378,215.697) 78.395,216.714 ; 78.486,29.185 79.781,29.185 80.408,28.558 80.408,20.388 79.121,19.101 79.121,18.288 ; 78.486,96.241 79.781,96.241 80.408,95.614 80.408,87.444 79.121,86.157 79.121,85.344 ; 78.486,163.297 79.781,163.297 80.408,162.67 80.408,154.5 79.121,153.213 79.121,152.4 ; 78.486,230.353 79.781,230.353 80.408,229.726 80.408,221.556 79.121,220.269 79.121,219.456 ; v1@80.254,17.78 79.746,18.288 79.121,18.288 ; v1@80.254,84.836 79.746,85.344 79.121,85.344 ; v1@80.254,151.892 79.746,152.4 79.121,152.4 ; v1@80.254,218.948 79.746,219.456 79.121,219.456 ; 81.305,44.831 81.356,44.78 ; 81.305,111.887 81.356,111.836 ; 81.305,178.943 81.356,178.892 ; 81.305,245.999 81.356,245.948 ; 81.407,46.558 81.356,46.507 81.356,44.78 ; 81.407,113.614 81.356,113.563 81.356,111.836 ; 81.407,180.67 81.356,180.619 81.356,178.892 ; 81.407,247.726 81.356,247.675 81.356,245.948 ; 83.007,44.692 82.918,44.78 81.356,44.78 ; 83.007,111.748 82.918,111.836 81.356,111.836 ; 83.007,178.804 82.918,178.892 81.356,178.892 ; 83.007,245.86 82.918,245.948 81.356,245.948 ; 85.166,22.822 85.217,22.771 86.817,22.771 88.341,22.771 ; 85.166,89.878 85.217,89.827 86.817,89.827 88.341,89.827 ; 85.166,156.934 85.217,156.883 86.817,156.883 88.341,156.883 ; 85.166,223.99 85.217,223.939 86.817,223.939 88.341,223.939 ; 88.557,22.771 88.341,22.771 ; 88.557,89.827 88.341,89.827 ; 88.557,156.883 88.341,156.883 ; 88.557,223.939 88.341,223.939 ; 90.322,46.177 90.373,46.126 90.373,44.298 ; 90.322,113.233 90.373,113.182 90.373,111.354 ; 90.322,180.289 90.373,180.238 90.373,178.41 ; 90.322,247.345 90.373,247.294 90.373,245.466 ; 90.881,5.375 91.78,5.375 92.1,5.055 v1@92.202,5.055 ; 90.881,72.431 91.78,72.431 92.1,72.111 v1@92.202,72.111 ; 90.881,139.487 91.78,139.487 92.1,139.167 v1@92.202,139.167 ; 90.881,206.543 91.78,206.543 92.1,206.223 v1@92.202,206.223 ; 91.038,23.952 cw(c91.038,23.287) 91.508,23.757 ; 91.038,91.008 cw(c91.038,90.343) 91.508,90.813 ; 91.038,158.064 cw(c91.038,157.399) 91.508,157.869 ; 91.038,225.12 cw(c91.038,224.455) 91.508,224.925 ; 91.475,23.952 89.522,23.952 88.341,22.771 ; 91.475,91.008 89.522,91.008 88.341,89.827 ; 91.475,158.064 89.522,158.064 88.341,156.883 ; 91.475,225.12 89.522,225.12 88.341,223.939 ; 91.643,22.36 91.643,24.12 91.643,26.309 93.624,28.291 100.935,28.291 102.184,27.042 v1(102.184,26.365) ; 91.643,89.416 91.643,91.176 91.643,93.365 93.624,95.347 100.935,95.347 102.184,94.098 v1(102.184,93.421) ; 91.643,156.472 91.643,158.232 91.643,160.421 93.624,162.403 100.935,162.403 102.184,161.154 v1(102.184,160.477) ; 91.643,223.528 91.643,225.288 91.643,227.477 93.624,229.459 100.935,229.459 102.184,228.21 v1(102.184,227.533) ; 93.167,21.082 93.167,22.437 96.088,25.358 96.427,25.358 ; 93.167,88.138 93.167,89.493 96.088,92.414 96.427,92.414 ; 93.167,155.194 93.167,156.549 96.088,159.47 96.427,159.47 ; 93.167,222.25 93.167,223.605 96.088,226.526 96.427,226.526 ; 94.679,23.949 ccw(c93.269,25.358) 95.262,25.358 ; 94.679,91.005 ccw(c93.269,92.414) 95.262,92.414 ; 94.679,158.061 ccw(c93.269,159.47) 95.262,159.47 ; 94.679,225.117 ccw(c93.269,226.526) 95.262,226.526 ; 95.138,24.409 cw(c95.897,23.65) 95.897,24.723 ; 95.138,91.465 cw(c95.897,90.706) 95.897,91.779 ; 95.138,158.521 cw(c95.897,157.762) 95.897,158.835 ; 95.138,225.577 cw(c95.897,224.818) 95.897,225.891 ; 95.639,22.378 ccw(c94.555,23.462) 96.088,23.462 ccw(c97.621,23.462) 96.537,22.378 ; 95.639,89.434 ccw(c94.555,90.518) 96.088,90.518 ccw(c97.621,90.518) 96.537,89.434 ; 95.639,156.49 ccw(c94.555,157.574) 96.088,157.574 ccw(c97.621,157.574) 96.537,156.49 ; 95.639,223.546 ccw(c94.555,224.63) 96.088,224.63 ccw(c97.621,224.63) 96.537,223.546 ; 96.088,21.929 96.088,23.622 v1(96.113,23.647) ; 96.088,88.985 96.088,90.678 v1(96.113,90.703) ; 96.088,156.041 96.088,157.734 v1(96.113,157.759) ; 96.088,223.097 96.088,224.79 v1(96.113,224.815) ; v1(102.591,41.326) 103.632,42.367 103.632,42.596 ; v1(102.591,108.382) 103.632,109.423 103.632,109.652 ; v1(102.591,175.438) 103.632,176.479 103.632,176.708 ; v1(102.591,242.494) 103.632,243.535 103.632,243.764 ; 103.064,36.509 ccw(c102.305,37.268) 103.378,37.268 ccw(c104.451,37.268) 103.692,36.509 ; 103.064,103.565 ccw(c102.305,104.324) 103.378,104.324 ccw(c104.451,104.324) 103.692,103.565 ; 103.064,170.621 ccw(c102.305,171.38) 103.378,171.38 ccw(c104.451,171.38) 103.692,170.621 ; 103.064,237.677 ccw(c102.305,238.436) 103.378,238.436 ccw(c104.451,238.436) 103.692,237.677 ; 103.124,30.699 cw(c105.064,30.699) 103.692,32.071 ; 103.124,32.385 103.124,29.566 105.131,27.559 107.239,25.451 120.142,25.451 120.599,24.994 123.647,21.946 ; 103.124,36.576 103.124,36.195 103.251,36.068 ; 103.124,97.755 cw(c105.064,97.755) 103.692,99.127 ; 103.124,99.441 103.124,96.622 105.131,94.615 107.239,92.507 120.142,92.507 120.599,92.05 123.647,89.002 ; 103.124,103.632 103.124,103.251 103.251,103.124 ; 103.124,164.811 cw(c105.064,164.811) 103.692,166.183 ; 103.124,166.497 103.124,163.678 105.131,161.671 107.239,159.563 120.142,159.563 120.599,159.106 123.647,156.058 ; 103.124,170.688 103.124,170.307 103.251,170.18 ; 103.124,231.867 cw(c105.064,231.867) 103.692,233.239 ; 103.124,233.553 103.124,230.734 105.131,228.727 107.239,226.619 120.142,226.619 120.599,226.162 123.647,223.114 ; 103.124,237.744 103.124,237.363 103.251,237.236 ; 103.378,35.75 cw(c103.378,34.125) 104.527,35.275 ; 103.378,37.396 ccw(c102.598,37.396) v1(103.149,37.948) 103.378,37.719 103.378,36.195 103.607,36.195 105.054,34.747 105.054,31.369 v1(104.191,30.505) ; 103.378,102.806 cw(c103.378,101.181) 104.527,102.331 ; 103.378,104.452 ccw(c102.598,104.452) v1(103.149,105.004) 103.378,104.775 103.378,103.251 103.607,103.251 105.054,101.803 105.054,98.425 v1(104.191,97.561) ; 103.378,169.862 cw(c103.378,168.237) 104.527,169.387 ; 103.378,171.508 ccw(c102.598,171.508) v1(103.149,172.06) 103.378,171.831 103.378,170.307 103.607,170.307 105.054,168.859 105.054,165.481 v1(104.191,164.617) ; 103.378,236.918 cw(c103.378,235.293) 104.527,236.443 ; 103.378,238.564 ccw(c102.598,238.564) v1(103.149,239.116) 103.378,238.887 103.378,237.363 103.607,237.363 105.054,235.915 105.054,232.537 v1(104.191,231.673) ; 103.632,44.196 103.632,42.596 ; 103.632,111.252 103.632,109.652 ; 103.632,178.308 103.632,176.708 ; 103.632,245.364 103.632,243.764 ; 104.582,44.196 104.582,45.176 v1(104.445,45.314) cw(c104.114,44.982) 104.582,44.982 ; 104.582,111.252 104.582,112.232 v1(104.445,112.37) cw(c104.114,112.038) 104.582,112.038 ; 104.582,178.308 104.582,179.288 v1(104.445,179.426) cw(c104.114,179.094) 104.582,179.094 ; 104.582,245.364 104.582,246.344 v1(104.445,246.482) cw(c104.114,246.15) 104.582,246.15 ; v1(105.613,45.491) 105.532,45.41 105.532,44.196 ; v1(105.613,112.547) 105.532,112.466 105.532,111.252 ; v1(105.613,179.603) 105.532,179.522 105.532,178.308 ; v1(105.613,246.659) 105.532,246.578 105.532,245.364 ; 106.452,41.402 ccw(c106.452,44.283) 108.649,42.418 ; 106.452,108.458 ccw(c106.452,111.339) 108.649,109.474 ; 106.452,175.514 ccw(c106.452,178.395) 108.649,176.53 ; 106.452,242.57 ccw(c106.452,245.451) 108.649,243.586 ; 107.825,41.402 ccw(c107.825,43.117) 109.132,42.007 ; 107.825,108.458 ccw(c107.825,110.173) 109.132,109.063 ; 107.825,175.514 ccw(c107.825,177.229) 109.132,176.119 ; 107.825,242.57 ccw(c107.825,244.285) 109.132,243.175 ; 108.059,42.182 cw(c107.469,41.946) 107.918,41.497 cw(c108.609,40.806) 108.633,41.783 ; 108.059,109.238 cw(c107.469,109.002) 107.918,108.553 cw(c108.609,107.862) 108.633,108.839 ; 108.059,176.294 cw(c107.469,176.058) 107.918,175.609 cw(c108.609,174.918) 108.633,175.895 ; 108.059,243.35 cw(c107.469,243.114) 107.918,242.665 cw(c108.609,241.974) 108.633,242.951 ; 108.165,42.829 cw(c105.08,45.449) v1(105.08,41.402) 107.823,41.402 108.839,42.418 ; 108.165,109.885 cw(c105.08,112.505) v1(105.08,108.458) 107.823,108.458 108.839,109.474 ; 108.165,176.941 cw(c105.08,179.561) v1(105.08,175.514) 107.823,175.514 108.839,176.53 ; 108.165,243.997 cw(c105.08,246.617) v1(105.08,242.57) 107.823,242.57 108.839,243.586 ; 108.392,45.396 cw(c107.328,44.323) 108.839,44.323 ; 108.392,112.452 cw(c107.328,111.379) 108.839,111.379 ; 108.392,179.508 cw(c107.328,178.435) 108.839,178.435 ; 108.392,246.564 cw(c107.328,245.491) 108.839,245.491 ; 109.286,45.396 ccw(c110.35,44.323) 108.839,44.323 ; 109.286,112.452 ccw(c110.35,111.379) 108.839,111.379 ; 109.286,179.508 ccw(c110.35,178.435) 108.839,178.435 ; 109.286,246.564 ccw(c110.35,245.491) 108.839,245.491 ; 109.479,45.398 cw(c110.563,44.314) 110.563,45.847 cw(c110.563,47.38) 109.479,46.296 ; 109.479,112.454 cw(c110.563,111.37) 110.563,112.903 cw(c110.563,114.436) 109.479,113.352 ; 109.479,179.51 cw(c110.563,178.426) 110.563,179.959 cw(c110.563,181.492) 109.479,180.408 ; 109.479,246.566 cw(c110.563,245.482) 110.563,247.015 cw(c110.563,248.548) 109.479,247.464 ; v1(110.388,36.982) 111.125,37.719 v1(111.125,37.897) cw(c110.696,37.897) 110.999,37.593 ; v1(110.388,104.038) 111.125,104.775 v1(111.125,104.953) cw(c110.696,104.953) 110.999,104.649 ; v1(110.388,171.094) 111.125,171.831 v1(111.125,172.009) cw(c110.696,172.009) 110.999,171.705 ; v1(110.388,238.15) 111.125,238.887 v1(111.125,239.065) cw(c110.696,239.065) 110.999,238.761 ; 112.852,37.846 112.852,41.999 111.76,43.091 111.76,45.441 111.354,45.847 108.839,45.847 108.839,44.323 ; 112.852,104.902 112.852,109.055 111.76,110.147 111.76,112.497 111.354,112.903 108.839,112.903 108.839,111.379 ; 112.852,171.958 112.852,176.111 111.76,177.203 111.76,179.553 111.354,179.959 108.839,179.959 108.839,178.435 ; 112.852,239.014 112.852,243.167 111.76,244.259 111.76,246.609 111.354,247.015 108.839,247.015 108.839,245.491 ; 123.139,21.946 ccw(c121.913,21.946) 122.78,22.813 ccw(c123.647,23.68) 123.647,22.454 ; 123.139,89.002 ccw(c121.913,89.002) 122.78,89.869 ccw(c123.647,90.736) 123.647,89.51 ; 123.139,156.058 ccw(c121.913,156.058) 122.78,156.925 ccw(c123.647,157.792) 123.647,156.566 ; 123.139,223.114 ccw(c121.913,223.114) 122.78,223.981 ccw(c123.647,224.848) 123.647,223.622 ; 103.632,42.596 105.08,42.596 105.532,43.048 105.532,44.196 ; 103.632,109.652 105.08,109.652 105.532,110.104 105.532,111.252 ; 103.632,176.708 105.08,176.708 105.532,177.16 105.532,178.308 ; 103.632,243.764 105.08,243.764 105.532,244.216 105.532,245.364 ; 105.532,44.196 108.712,44.196 108.839,44.323 ; 105.532,111.252 108.712,111.252 108.839,111.379 ; 105.532,178.308 108.712,178.308 108.839,178.435 ; 105.532,245.364 108.712,245.364 108.839,245.491
  Top Layer w0.762: 82.169,6.909 82.499,6.909 85.027,4.381 85.039,4.381 ; 82.169,73.965 82.499,73.965 85.027,71.437 85.039,71.437 ; 82.169,141.021 82.499,141.021 85.027,138.493 85.039,138.493 ; 82.169,208.077 82.499,208.077 85.027,205.549 85.039,205.549